# KiCad board Dumpling_Main.kicad_pcb (continued)
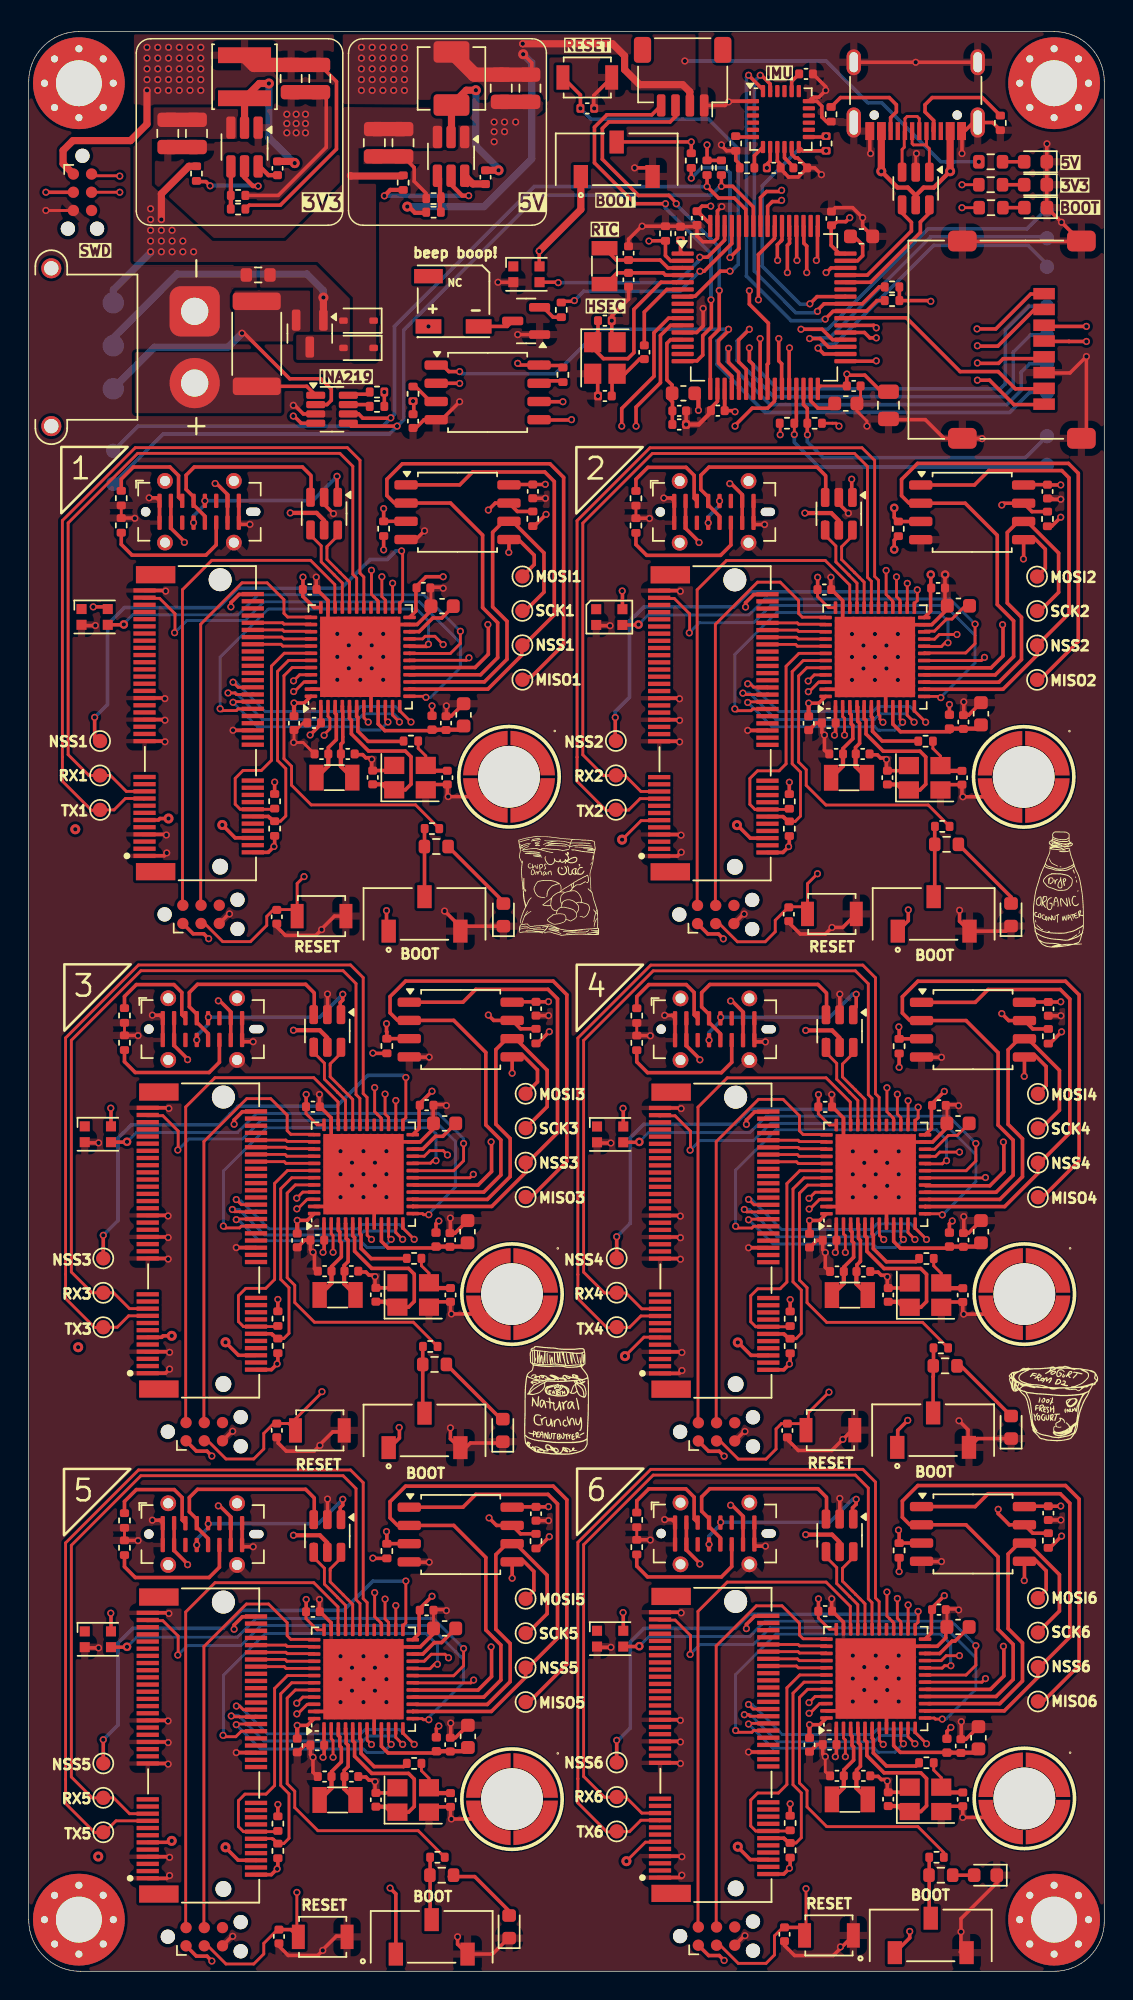
[diagram p0: board, top side]
## Nets (continued)
Pads without a net: BZ1 3; D7 1; D8 1; D10 1; D12 1; D14 1; D16 1; D18 1; H1 1; H2 1; H3 1; H4 1; J1 6; J3 A8 B8; J5 MP; J6 6; J7 3 4 5 8 9 10 13 15 16 18 20 21 22 23 32 34 35 37 38 40 41 43 47 49 50 51 52 53 54 55 56 57 58 59 61 63 65 67 68 69 70 71 72 SH1 SH2; J8 A8 B8; J9 6; J10 3 4 5 8 9 10 13 15 16 18 20 21 22 23 32 34 35 37 38 40 41 43 47 49 50 51 52 53 54 55 56 57 58 59 61 63 65 67 68 69 70 71 72 SH1 SH2; J11 A8 B8; J12 6; J13 3 4 5 8 9 10 13 15 16 18 20 21 22 23 32 34 35 37 38 40 41 43 47 49 50 51 52 53 54 55 56 57 58 59 61 63 65 67 68 69 70 71 72 SH1 SH2; J14 A8 B8; J15 6; J16 3 4 5 8 9 10 13 15 16 18 20 21 22 23 32 34 35 37 38 40 41 43 47 49 50 51 52 53 54 55 56 57 58 59 61 63 65 67 68 69 70 71 72 SH1 SH2; J17 A8 B8; J18 6; J19 3 4 5 8 9 10 13 15 16 18 20 21 22 23 32 34 35 37 38 40 41 43 47 49 50 51 52 53 54 55 56 57 58 59 61 63 65 67 68 69 70 71 72 SH1 SH2; J20 A8 B8; J21 6; J22 3 4 5 8 9 10 13 15 16 18 20 21 22 23 32 34 35 37 38 40 41 43 47 49 50 51 52 53 54 55 56 57 58 59 61 63 65 67 68 69 70 71 72 SH1 SH2; J23 A8 B8; U1 8 9 14 15 43 50; U4 29; U5 29; U7 2 3 4 5 14 15 16 17 19 21 22; U13 29; U16 29; U19 29; U22 29

## Via types
v1: diameter 0.5, hole 0.3, Top to Bottom, 619 vias
v2: diameter 0.7, hole 0.3, Top to Bottom, 102 vias
v3: diameter 0.6, hole 0.3, Top to Bottom, 11 vias

## Routing (per net, layer and track width the routed paths; a pad name or vN(x,y) marks a point on that pad's centre or on a via; arc(x,y) is an arc through that point)
+3V3: length 244.8
  Top w0.2: R24.1 56.3,107.9 v1(56.5,107.7) ; C45.1 55,95.83 55.78,95.05 U5.36 56.26,95.36 ; R20.2 v1(65.07,124.52) ; C85.1 19.34,24.58 20.12,23.8 U19.36 ; 48.53,108.78 C37.1 ; R25.1 52.4,107.86 v1(52.4,107.1) 52.3,107 ; v1(27.87,114.65) 27.72,114.65 ; U13.36 20.12,59 19.34,59.78 C61.1 ; 55.03,110.12 U1.32 55.22,110.5 57.04,110.5 ; C104.1 55.06,24.62 55.84,23.84 U22.36 ; 46.45,109.88 46.45,109.82 ; 20.37,95.37 U4.36 ; C72.1 55.06,59.77 55.84,58.99 U16.36
  Top w0.25: v1(60.69,27.86) R76.1 ; U22.24 62.94,23.6 62.94,25.02 62.96,25.04 ; v1(28.6,52.3) 28.4,52.1 28.4,51.48 ; v1(36.3,30.29) 35.48,29.47 R68.1 ; D8.4 5.36,95.1 v1(4.5,95.1) ; v1(5.72,60.16) 5.74,60.15 D12.4 ; J19.2 16.92,6.74 v1(17.32,7.14) ; J19.74 15.83,24.71 14.9,24.71 14.32,24.14 v1(14.32,23.84) 14.22,23.84 ; FB7.1 64.03,16.72 v1(64.3,17) ; C71.1 62.99,60.36 62.99,60.48 v1(63.84,61.33) ; U24.8 34.22,111.95 v1(34.1,112.07) ; U24.8 35.76,112.13 ; U24.8 35.56,111.92 ; v1(12.77,0.72) 12.43,1.06 11.69,1.06 J18.1 ; 49.89,95.09 v1(49.99,95.09) 49.99,95.39 50.56,95.96 51.49,95.96 J10.74 ; R16.1 15.38,123.1 17.55,123.1 21.46,127.01 21.46,131.72 C38.1 ; R49.1 24.02,63.98 v1(24,64) ; U16.24 62.94,58.74 62.94,60.16 62.96,60.18 ; v1(60.69,63.01) R58.1 ; C65.1 27.27,60.37 27.27,60.49 v1(28.12,61.34) ; J7.74 15.6,95.97 14.67,95.97 14.1,95.4 v1(14.1,95.1) 14,95.1 ; J10.2 52.59,77.98 53.04,78.43 R42.1 ; v1(64.4,52.3) 64.2,52.1 64.2,51.48 ; v1(54.44,17.19) 55.16,17.19 U22.48 ; 19.35,61.09 19.35,60.27 C61.1 ; C9.1 46.95,123.03 v1(47.56,123.03) ; v1(20.52,14.92) 20.55,14.92 20.6,14.97 20.6,15.75 C84.1 20.59,15.77 U19.1 ; J9.1 11.47,72.31 12.21,72.31 v1(12.55,71.97) ; v1(25.83,37.9) 25.85,37.88 25.85,37.17 25.1,36.42 ; R41.1 71.33,100.72 v1(71.96,101.35) ; 46.62,122.68 47.53,121.77 U1.64 47.53,121.42 ; U7.13 55.54,127.85 v1(55.6,127.91) ; v3(60.35,99.1) 60.35,99.74 R40.1 ; U1.19 48.53,108.78 ; FB6.1 28.42,16.92 v1(28.6,17.1) ; 60.61,36.95 60.59,36.97 60.59,37.7 v1(61.29,38.4) ; 48.53,109.54 C37.1 49.07,108.77 49.15,108.7 v1(49.25,108.7) ; D18.4 41.46,24.99 v1(41.44,25) ; 27.24,60.19 27.22,60.17 27.22,58.75 U13.24 ; SW12.1 25.6,5.4 v1(25.2,5.8) ; v1(73.75,113.6) 72.53,113.6 72.53,113.6 71.1,113.6 ; R61.1 53.09,46.82 v1(53.09,46.82) ; v1(17.15,82.89) 17.15,82.89 R30.1 ; v1(72.02,65.48) 71.2,64.66 R59.1 ; U9.4 19,107.9 18.5,108.4 v1(18.45,108.4) ; J21.1 47.41,1.1 48.15,1.1 v1(48.49,0.76) ; J6.1 47.35,72.3 48.09,72.3 v1(48.43,71.96) ; v1(48.49,35.91) 48.15,36.25 47.41,36.25 J15.1 ; 33.74,67.57 36.23,67.57 v1(36.24,67.59) ; 60.54,73.03 60.56,73.01 ; U4.24 27,94.81 27,96.23 27.02,96.25 ; C22.1 27.05,96.43 27.05,96.55 27.7,97.2 v1(28.9,97.2) ; v1(64.2,88.3) FB2.1 ; 69.4,103.62 C52.1 71.06,103.6 v1(71.96,103.6) ; U13.48 19.44,52.34 v1(18.72,52.34) ; R67.1 24.02,28.78 v1(24,28.8) ; R78.1 53.09,7.23 52.65,6.78 J22.2 ; v1(57.25,122.22) 56.97,121.95 56.35,121.95 56.09,121.69 C10.1 55.95,121.67 55.95,120.3 56.53,119.72 U1.48 56.88,119.72 ; 37.22,111.92 35.78,111.92 ; v1(36.3,65.49) 35.48,64.67 R50.1 ; U5.1 56.26,87.02 C48.1 56.26,87 56.26,86.21 56.21,86.16 v1(56.19,86.16) ; v1(62.9,116.4) 62.85,116.45 R80.1 R81.1 ; v1(71.96,32.43) 71.95,32.42 69.46,32.42 ; C85.1 19.35,25.07 19.35,25.89 ; R43.1 53.04,82.87 v1(53.04,82.88) ; 55.07,25.94 55.07,25.12 C104.1 ; U13.1 20.59,50.97 C58.1 20.6,50.95 20.6,50.17 20.55,50.12 v1(20.52,50.12) ; v1(12.77,35.92) 12.43,36.26 11.69,36.26 J12.1 ; v1(54.44,52.33) 55.16,52.33 U16.48 ; v1(19.62,86.17) 20.38,86.92 20.38,87.01 C19.1 20.37,87.03 U4.1 ; C72.1 55.07,60.26 55.07,61.08 ; C88.1 27.27,25.17 27.27,25.29 v1(28.12,26.14) ; v1(54.39,88.39) 55.1,88.39 U5.48 ; 55.01,97.14 55.01,96.32 C45.1 ; v1(47.3,127.3) R22.1 R23.1 ; 35.56,118.83 35.6,118.88 v1(35.6,119.9) ; v1(53.09,11.67) 53.09,11.67 R79.1 ; 33.74,32.37 36.23,32.37 v1(36.24,32.39) ; 51.47,125.95 51.7,126.18 U7.8 ; v1(72.02,30.34) 71.2,29.52 R77.1 ; 24.97,72.5 24.95,72.52 v1(24.95,73.93) ; J13.74 15.83,59.91 14.9,59.91 14.32,59.34 v1(14.32,59.04) 14.22,59.04 ; R14.1 35.25,100.73 v1(36.07,101.55) ; v3(62.9,97.35) 62.9,96.45 C46.1 ; U16.1 56.31,50.96 C74.1 56.32,50.94 56.32,50.16 56.27,50.11 v1(56.24,50.11) ; 49.94,23.89 v1(50.04,23.89) 50.04,24.18 50.62,24.75 51.55,24.75 J22.74 ; v1(28.12,88.2) FB3.1 ; 33.51,103.63 36,103.63 v1(36.02,103.64) ; 57.04,110.5 57.04,111.32 v1(57.05,111.32) 57.12,111.25 58.3,111.25 59.5,110.05 60.4,110.05 ; R29.1 17.15,78.44 16.7,77.99 J7.2 ; J16.74 51.55,59.9 50.62,59.9 50.04,59.33 v1(50.04,59.03) 49.94,59.03 ; 69.46,67.56 71.95,67.56 v1(71.96,67.58) ; v1(26.8,109.44) 26.85,109.39 26.85,108.75 26.63,108.53 ; U4.48 19.21,88.4 v1(18.5,88.4) ; U1.1 45.45,119.88 v1(45.45,120.64) ; R69.1 17.37,7.18 ; 60.4,1.3 61.43,2.33 v1(61.43,2.78) ; v1(5.72,24.96) 5.74,24.95 D16.4 ; v1(17.37,11.63) R70.1 ; D10.4 41.4,96.19 v1(41.39,96.21) ; v1(41.44,60.15) 41.46,60.14 D14.4 ; SW6.1 61.33,73.23 v1(61.33,73.98) ; 62.89,96.22 62.89,94.8 U5.24 ; C98.1 62.99,25.22 62.99,25.34 v1(63.84,26.19) ; U22.1 56.31,15.82 C101.1 56.32,15.8 56.32,15.01 56.27,14.96 v1(56.24,14.96) ; J16.2 52.65,41.93 53.09,42.37 R60.1 ; v1(24.8,110.07) R5.1 ; U19.24 27.22,23.55 27.22,24.97 27.24,24.99 ; R51.1 17.37,42.38 16.93,41.94 J13.2 ; U19.48 19.44,17.14 v1(18.72,17.14) ; 19.12,97.15 19.12,96.33 C20.1 19.11,95.84 19.89,95.06 U4.36 ; 37.22,111.81 R34.1 ; v1(17.37,46.83) R52.1 ; 46.16,109.99 46.45,110.27 ; 48.53,109.02 48.53,109.02 ; v1(24.75,99.07) R12.1 ; 52.28,107.99 R25.1
  Top w0.3: v1(18.72,52.34) C59.1 ; v1(18.5,88.4) C13.1 ; v1(46.7,108.8) 46.7,109.72 FB1.1 ; v1(54.39,88.39) C49.1 ; v1(54.44,17.19) C100.1 ; v1(18.72,17.14) C87.1 ; v1(54.44,52.33) C78.1
  Top w0.5: J1.1 2.4,125.98 2.4,126.91 3.09,127.6 7.1,127.6 8.25,128.75 v1(8.25,131.1) ; v1(35.6,119.9) 38.5,122.8 SW1.1
  Top w1: C38.1 C34.1 15.72,132.88 L2.2
  vias: v1(8.25,134.1) v1(8.25,133.35) v1(8.25,132.6) v1(8.25,131.85) v1(9,134.1) v1(9,133.35) v1(9,132.6) v1(9,131.85) v1(9,131.1) v1(9.75,134.1) v1(9.75,133.35) v1(9.75,132.6) v1(9.75,131.85) v1(9.75,131.1) v1(10.5,134.1) v1(10.5,133.35) v1(10.5,132.6) v1(10.5,131.85) v1(10.5,131.1) v1(11.25,134.1) v1(11.25,133.35) v1(11.25,132.6) v1(11.25,131.85) v1(11.25,131.1) v1(12,134.1) v1(12,133.35) v1(12,132.6) v1(12,131.85) v1(12,131.1) v1(17.1,78.4) v1(17.32,42.34) v1(19.12,97.17) v1(19.35,61.12) v1(19.35,25.92) v1(51.47,125.7) v1(52.99,78.39) v1(53.04,42.33) v1(53.04,7.19) v1(55.01,97.16) v1(55.07,61.11) v1(55.07,25.96)
+5V: length 179.2
  Top w0.25: 35.42,132.28 35.34,132.2 ; v2(49.44,8.69) 49.44,8.66 50.31,7.79 51.56,7.79 J22.6 ; J16.6 51.56,42.93 50.37,42.93 49.47,43.83 v2(49.44,43.83) ; v2(13.5,79.9) 14.4,79 15.62,79 J7.6 ; J19.6 15.84,7.74 14.61,7.74 13.72,8.63 v2(13.72,8.64) ; 13.72,43.78 v2(13.72,43.84) 14.63,42.94 J13.6 ; v2(49.39,79.89) 49.41,79.89 50.32,78.98 J10.6 ; v2(34.48,133.62) 35.08,133.02 35.08,132.33 C43.1 ; 46.1,130.5 J5.2
  Top w0.3: v2(26.4,123) 26.5,123 26.93,122.57 27.66,122.57 27.66,122.67 R27.1
  Top w0.5: v1(34.45,134.35) 40.71,134.35 41.55,133.51 41.55,132.55 42.6,131.5 45.6,131.5 46.1,131 46.1,130.5
  Top w1: L3.2 29.5,133.78 31.08,132.2 C42.1 C43.1
  In2.Cu w1: 49.17,8.85 46.54,8.85 45.63,9.76 ; 49.14,43.96 46.51,43.96 45.6,44.88 ; 49.06,79.96 46.43,79.96 45.51,80.88
  In2.Cu w2: 43.75,35.85 43.5,35.85 41.89,34.24 41.89,26.61 44.08,24.42 44.08,18.18 43.99,18.09 43.99,12.86 45.25,11.6 ; 45.25,46.85 43.99,48.11 43.99,53.24 44.08,53.33 44.08,58.43 43.2,59.31 43.2,60.9 41.89,62.21 41.89,70.24 43.75,72.1
  In3.Cu w0.25: v2(3.45,43.5) 5.55,41.4 11.28,41.4 v2(13.72,43.84) ; v2(13.5,79.9) 12.13,78.53 4.32,78.53 v2(3.25,79.6) ; v2(4.85,8) 5.5,7.35 12.43,7.35 v2(13.72,8.64)
  Bottom w0.25: v1(66.25,126.12) 64.54,126.12 64.53,126.14 63.97,126.14 63.96,126.12 63.6,126.12 59.49,130.24 58.51,130.24 55.6,133.15 v1(45.75,133.15)
  Bottom w0.5: v2(26.4,123) 31.76,123 35.08,126.32 35.08,133.02 v2(34.48,133.62)
  vias: v1(23.2,134.1) v1(23.2,133.35) v1(23.2,132.6) v1(23.2,131.85) v1(23.2,131.1) v1(23.95,134.1) v1(23.95,133.35) v1(23.95,132.6) v1(23.95,131.85) v1(23.95,131.1) v1(24.7,134.1) v1(24.7,133.35) v1(24.7,132.6) v1(24.7,131.85) v1(24.7,131.1) v1(25.45,134.1) v1(25.45,133.35) v1(25.45,132.6) v1(25.45,131.85) v1(25.45,131.1) v1(26.2,134.1) v1(26.2,133.35) v1(26.2,132.6) v1(26.2,131.85) v1(26.2,131.1)
GND: length 646.7
  Top w0.2: J1.5 v1(1.2,122.73) ; C92.2 64.03,25.13 C98.2 ; C45.2 55.96,96.31 ; v1(61.9,126.7) 61.9,126.65 61.85,126.6 U2.2 ; C72.2 56.02,60.25 ; C23.2 19.13,85.65 v1(18.47,85.65) 18.5,85.67 C13.2 18.65,86.52 19.14,87.02 C19.2 ; C88.2 28.23,25.16 C79.2 ; R74.1 R75.1 ; 28.01,96.42 28.05,96.38 C26.2 ; R47.1 R48.1 ; 33.78,117.72 D7.2 ; v1(55.54,14.96) 55.54,13.92 55.88,13.59 ; C71.2 64.03,60.28 C66.2 ; C104.2 56.02,25.1 ; C7.2 58.01,109.53 C35.2 57.75,108.75 58.45,108.05 v1(58.45,107.7) ; C20.2 20.08,96.32 ; R38.1 R39.1 ; R56.1 R57.1 ; R18.1 R19.1 ; 40.62,113.51 40.99,113.14 ; R65.1 R66.1 ; C105.1 52.43,125.65
  Top w0.25: C15.2 63.89,95.33 63.89,97.11 63.9,97.12 v3(63.9,97.35) ; C74.2 54.96,50.95 54.46,50.45 C78.2 ; C74.2 55.37,50.95 ; C74.2 55.37,50.29 55.54,50.11 v1(55.54,50.1) 55.54,49.06 55.88,48.73 ; U19.35 21.09,24.29 20.32,25.06 C85.2 ; v1(20.27,25.92) 20.27,25.09 ; v1(43.29,101.26) 43.27,101.28 R39.1 ; C4.2 41.83,116.55 40.66,115.38 v1(40.66,115.05) ; v1(8.62,31.44) 9.14,31.44 J17.A1 J17.B12 ; 7.92,77.75 9.45,77.75 9.68,77.97 ; v1(45.49,79.19) 45.44,79.23 43.81,79.23 ; v2(59.01,91.61) 56.76,93.86 U5.35 56.76,95.53 55.98,96.31 C45.2 55.93,96.33 v1(55.93,97.16) ; v2(59.01,91.61) 56.76,89.36 U5.47 ; v2(59.01,91.61) 59.76,90.86 U5.8 ; D12.2 3.96,57.74 v1(4.87,57.74) ; C48.2 54.91,87.01 54.41,86.51 C49.2 ; C48.2 55.31,87 ; C48.2 55.31,86.35 v1(55.49,86.17) 55.49,85.12 55.82,84.79 ; 32.14,10.43 31.95,10.62 v1(29.47,10.62) 29.41,10.68 C83.2 ; C58.2 19.65,50.3 v1(19.82,50.12) 19.93,50.02 19.93,48.97 20.16,48.74 ; C58.2 19.65,50.96 ; C58.2 19.24,50.96 18.74,50.46 C59.2 ; J12.5 14.18,37.64 v1(14.22,37.64) ; v1(7.62,30.02) 7.61,30.03 R66.1 ; 63.95,58.72 63.02,57.8 U16.23 61.31,57.8 ; 45.39,17.54 43.96,17.54 ; C101.2 55.37,15.14 v1(55.54,14.96) ; C101.2 54.96,15.8 54.46,15.31 C100.2 ; C101.2 55.37,15.8 ; v3(45.84,107.81) C5.2 45.97,108.89 ; v1(44.34,31.49) 44.86,31.49 J20.A1 J20.B12 ; v1(49.89,73.69) 49.84,73.69 J6.5 ; 61.31,22.65 U22.23 63.35,22.65 63.95,23.25 63.95,23.92 ; R19.1 7.38,101.29 v1(7.4,101.27) ; R75.1 43.33,30.08 v1(43.34,30.06) ; R6.1 67.22,128.86 J3.S1 ; C83.2 29.47,11.4 ; C83.2 28.28,11.46 ; 73.7,120.57 65.4,120.57 ; v1(48.32,123) 48.03,122.7 U1.63 48.03,120.81 47.77,120.55 47,120.55 46.6,120.95 C9.2 46.49,121.6 C8.2 45.42,121.63 R32.2 v1(42.78,121.63) 42.74,121.63 41.83,120.72 C3.2 ; J9.5 13.96,73.7 v1(14,73.7) ; v1(56.56,68.11) 56.56,66.68 U17.2 ; v1(48.3,127.3) 48.3,127.25 48.66,126.89 R82.1 49.3,126.23 49.58,125.95 ; v1(50.14,86.49) 51.51,86.49 J10.36 ; 71.1,111.41 72.61,111.41 v1(73.75,112.55) 73.75,106.82 ; C96.2 64,11.51 ; C96.2 65.19,11.44 ; C96.2 v1(65.13,10.72) 67.61,10.72 67.86,10.47 ; 56.8,37.11 57.69,38 57.76,38 ; 45.4,49.68 43.97,49.68 ; v1(44.29,102.69) 44.8,102.69 J23.A1 J23.B12 ; 63.52,82.71 63.15,82.34 ; J7.36 15.62,86.5 v1(14.25,86.5) ; 63.58,11.51 63.21,11.14 ; v1(9.77,24.94) 9.73,24.99 J19.75 ; U13.8 24.09,53.21 v2(23.34,53.96) ; v1(55.99,25.96) 55.99,25.13 C104.2 56.04,25.1 56.81,24.33 U22.35 ; v1(40.54,93.79) 39.62,93.79 D10.2 ; v1(15.65,64.79) 15,64.79 J11.B1 J11.A12 ; v1(21.25,101.6) 20.6,102.25 U6.2 ; J3.S1 v1(61.85,133.06) J3.S1 ; U22.47 56.81,18.15 v2(59.06,20.4) 59.81,19.65 U22.8 ; HSE5.4 61.07,47.62 C67.2 59.87,47.69 v1(59.87,48.41) 59.76,48.51 59.45,48.51 59.23,48.73 58.67,48.73 ; 47.57,108.97 48.03,109.42 U1.18 ; 58.85,121.02 C36.2 ; C36.2 58.95,121.02 ; C36.2 58.15,121.62 v1(58.15,122.22) 57.45,122.92 56.25,122.92 C10.2 ; C87.2 18.74,15.26 19.24,15.76 C84.2 ; 63.89,94.78 62.97,93.86 U5.23 61.26,93.86 ; v1(9.55,96.2) 9.51,96.24 J7.75 ; 9.67,17.49 8.24,17.49 ; D8.2 3.74,93.8 v1(4.65,93.8) ; HSE7.4 61.07,12.48 C93.2 59.87,12.54 v1(59.87,13.26) 59.76,13.37 59.45,13.37 59.23,13.59 58.67,13.59 ; 7.93,79.24 9.56,79.24 v1(9.6,79.2) ; v1(14.47,15.24) 15.84,15.24 J19.36 ; 67.8,81.68 67.62,81.86 v1(65.14,81.86) 65.07,81.93 C44.2 ; U18.4 62.28,28.56 v1(63.64,28.56) ; D16.2 3.96,22.54 v1(4.87,22.54) ; 22.95,13.54 23.51,13.54 23.73,13.32 24.04,13.32 v1(24.15,13.22) 24.15,12.5 C80.2 25.35,12.43 HSE6.4 ; U19.47 21.09,18.11 v2(23.34,20.36) 24.09,19.61 U19.8 ; 43.45,125.6 43.55,125.5 43.35,125.7 v1(42.25,125.7) ; 28.23,58.99 28.2,59.01 28.2,60.19 ; 67.5,6.1 67.44,6.1 65.01,3.67 v1(65.01,2.76) 65.01,1.41 ; C89.2 29.76,16.28 C90.2 29.43,16.31 v1(29.42,17.3) ; 9.45,88.75 8.02,88.75 ; 33.06,36.82 30.8,36.82 30.4,36.42 30.1,36.42 29.41,37.12 v1(29.41,37.88) ; C50.2 65.53,87.55 C51.2 65.2,87.58 v1(65.2,88.48) ; C70.2 65.13,45.87 v1(65.19,45.81) 67.67,45.81 67.86,45.62 ; C70.2 64,46.65 ; C70.2 65.19,46.59 ; J16.1 45.35,41.68 v1(45.55,41.88) ; 43.87,8.03 45.5,8.03 v1(45.54,7.99) ; J13.36 15.84,50.44 v1(14.47,50.44) ; U10.4 26.56,63.72 v1(27.92,63.72) ; v1(45.54,6.7) 45.54,6.55 45.52,6.54 43.86,6.54 ; U4.8 23.87,90.87 v2(23.12,91.62) ; C30.2 28.06,82.72 ; C30.2 29.19,81.94 v1(29.25,81.88) 31.73,81.88 31.92,81.69 ; C30.2 29.25,82.66 ; 32.14,45.63 31.95,45.82 v1(29.47,45.82) 29.41,45.88 C57.2 28.28,46.66 ; J5.1 48.55,130.05 v1(48.8,130.3) ; D14.2 39.68,57.73 v1(40.59,57.73) ; R48.1 7.61,65.23 v1(7.62,65.22) ; C97.2 v1(71.97,31.46) ; v1(40.59,22.59) 39.68,22.59 D18.2 ; U12.4 62.28,63.71 v1(63.64,63.71) ; C84.2 19.65,15.1 v1(19.82,14.92) 19.82,13.87 20.16,13.54 ; C84.2 19.65,15.76 ; 72.74,120.52 72.74,121.18 v1(72.01,121.91) D1.1 ; 63.92,59 63.95,58.98 ; 70.99,122.94 70.99,127.36 v1(71,127.38) ; v1(29.12,25.14) 29.05,25.21 28.27,25.21 C88.2 ; 9.46,87.24 8.03,87.24 ; v1(71.96,102.6) 71.41,102.6 71.35,102.66 C52.2 71.04,102.7 ; v1(45.49,24.99) 45.45,25.03 J22.75 ; D4.1 30.45,72.85 SW4.3 30.1,72.8 v1(29,73.9) ; J8.A12 J8.B1 14.78,100.85 v1(15.42,100.85) ; 45.34,85.73 43.91,85.73 ; J11.B12 J11.A1 9.14,66.64 v1(8.62,66.64) ; v1(55.28,125.22) 54.8,125.7 C106.2 ; v1(45.44,96.19) 45.39,96.23 J10.75 ; v1(32.72,117.72) 33.78,117.72 ; 15.11,123.93 15.19,123.85 ; v1(9.82,43.14) 9.78,43.19 8.15,43.19 ; 9.67,52.69 8.24,52.69 ; 58.62,84.79 59.17,84.79 59.39,84.57 59.71,84.57 v1(59.81,84.46) 59.81,83.74 C16.2 61.02,83.68 HSE2.4 ; v2(21.74,53.96) 21.09,53.31 U13.47 ; 53,37.21 53,36.97 53.67,36.3 55.99,36.3 v1(56.77,37.07) ; v1(51.31,100.84) 50.66,100.84 J23.B1 J23.A12 ; D9.1 68.14,72.5 SW6.3 64.91,73.19 v1(64.91,73.96) ; 43.87,43.18 45.5,43.18 v1(45.54,43.13) ; C44.2 63.94,82.71 ; C44.2 65.14,82.65 ; J19.7 9.78,7.99 v1(9.82,7.94) ; v1(8.4,102.7) 8.92,102.7 J8.A1 J8.B12 ; v2(23.12,91.62) 20.87,93.87 U4.35 20.87,95.55 20.1,96.32 C20.2 20.05,96.34 v1(20.05,97.17) ; v2(23.12,91.62) 20.87,89.37 U4.47 ; C38.2 20.75,130.52 20.75,127.13 17.4,123.78 R17.1 ; J3.S1 66.36,129.04 ; J3.S1 65.86,128.86 65.08,128.07 v1(65.07,126.7) ; U23.2 56.56,31.54 v1(56.56,32.96) ; 28,94.79 27.08,93.87 U4.23 25.37,93.87 ; v1(49.94,2.49) 49.9,2.49 J21.5 ; v1(43.34,65.21) 43.33,65.22 R57.1 ; 22,37.6 21.2,37.6 20.31,36.71 v1(20.31,36.66) 19.91,36.26 17.96,36.26 17.4,36.82 17.4,37.1 ; C39.2 26.88,125.72 26.88,124.76 27.72,123.92 ; v1(9.83,6.67) 9.62,6.47 8.31,6.47 ; 18.45,109.1 18.6,109.1 19.15,108.55 U9.3 20.06,108.5 ; v1(15.65,29.59) 15,29.59 J17.B1 J17.A12 ; v1(29.91,2.41) 29.91,1.89 SW12.3 32.34,1.2 33.55,2.41 ; 45.39,52.68 43.96,52.68 ; J16.36 51.56,50.43 v1(50.19,50.43) ; Q2.1 34.22,114.08 34.1,113.95 ; 28.2,23.81 28.23,23.79 ; v1(47.03,115.9) 47.03,114.67 46.58,114.22 U1.12 ; 8.14,41.69 9.54,41.69 v1(9.83,41.97) ; 27.86,46.66 27.49,46.29 ; v1(55.99,61.11) 55.99,60.28 C72.2 56.04,60.25 56.81,59.48 U16.35 56.81,57.8 v2(59.06,55.55) ; C105.1 52.43,125.62 52.71,125.34 52.71,125.33 52.98,125.06 53.66,125.06 54.28,125.69 C106.2 ; U16.8 59.81,54.8 v2(59.06,55.55) ; 28.23,58.73 27.3,57.81 25.59,57.81 v2(23.34,55.56) 21.09,57.81 U13.35 21.09,59.49 20.32,60.26 C61.2 20.27,60.29 v1(20.27,61.12) ; v1(64.84,25.19) 64.77,25.26 63.99,25.26 C98.2 ; 65.3,1.7 64.95,1.35 ; v2(59.06,55.55) 56.81,53.3 U16.47 ; 22.25,2.45 21.45,2.45 20.56,1.56 20.56,1.51 20.16,1.11 18.09,1.11 17.45,1.75 C86.2 ; v1(51.37,64.78) 50.72,64.78 J14.B1 J14.A12 ; J14.B12 J14.A1 44.86,66.63 v1(44.34,66.63) ; C29.2 v1(36.03,102.67) ; J13.75 9.73,60.19 v1(9.77,60.14) ; 9.68,49.69 8.25,49.69 ; v1(29.4,52.5) 29.4,51.48 C64.2 29.73,51.45 C63.2 ; D13.1 66.18,37.13 SW10.3 65.5,36.58 65.5,37.74 v1(64.87,38.38) ; v1(40.66,115.05) 40.66,113.92 ; v1(40.66,115.05) 40.78,115.05 ; 22.73,84.8 23.29,84.8 23.51,84.58 23.82,84.58 v1(23.92,84.47) 23.93,83.75 C27.2 25.13,83.69 HSE3.4 ; 27.63,82.72 27.26,82.35 ; U15.4 26.56,28.52 v1(27.92,28.52) ; 45.4,14.53 43.97,14.53 ; v1(49.94,37.63) 49.9,37.63 J15.5 ; v1(50.19,15.29) 51.56,15.29 J22.36 ; R7.1 55.63,128.93 55.3,129.25 55.3,130 54.95,130.35 U7.18 54.68,130.63 55.11,130.63 v1(55.57,131.1) 55.58,131.35 C107.2 ; v1(51.37,29.64) 50.72,29.64 J20.B1 J20.A12 ; C106.2 54.28,125.72 53.6,126.4 53.46,126.4 53.2,126.66 U7.11 ; U14.2 20.84,66.69 v1(20.84,68.12) ; C91.2 v1(36.25,31.41) ; J18.5 14.18,2.44 v1(14.22,2.44) ; 9.68,14.49 8.25,14.49 ; 25.59,22.61 U19.23 27.3,22.61 28.23,23.53 ; 52.43,125.95 52.2,126.18 U7.9 ; v1(29.12,88.2) 29.13,87.5 C24.2 29.46,87.48 C21.2 ; 40.79,132.13 SW2.2 40.65,132 39.4,130.75 39.4,129.84 v1(39.43,129.84) ; v1(29.12,60.34) 29.05,60.41 28.27,60.41 C65.2 ; U3.4 26.33,99.77 26.98,99.77 v1(27.6,100.4) ; 62.22,99.76 U8.4 ; 45.34,88.74 43.91,88.74 ; 9.68,51.19 8.25,51.19 ; C76.2 65.53,51.45 C77.2 65.2,51.48 v1(65.2,52.6) ; 48.85,130.35 U7.1 ; C99.2 52.7,1.8 53.4,1.1 56.1,1.1 SW13.2 57.6,2.5 ; 53.11,73.2 53.11,72.99 53.8,72.3 55.56,72.3 v1(56.01,72.76) 56.76,72.76 SW5.2 ; v1(45.49,60.13) 45.45,60.18 J16.75 ; C71.2 63.99,60.4 64.77,60.4 v1(64.84,60.33) ; 39.68,111 39.68,109.82 ; v1(58.7,126.7) 58.65,126.75 J3.A12 ; 45.34,87.23 43.91,87.23 ; v1(45.5,78) 45.23,77.73 J10.1 ; HSE4.4 25.35,47.63 C54.2 24.15,47.7 v1(24.15,48.42) 24.04,48.52 23.73,48.52 23.51,48.74 22.95,48.74 ; 60.4,108.15 62.52,108.15 63.82,106.85 66.45,106.85 v1(66.47,106.82) 65.4,106.82 ; 63.58,46.65 63.21,46.28 ; 27.86,11.46 27.49,11.09 ; 30.47,72.95 30.47,72.85 ; v1(20.84,32.92) 20.84,31.49 U20.2 ; 57.35,129.04 J3.S1 ; C75.2 v1(71.97,66.6) ; v1(65.03,17.4) 65.03,16.2 C103.2 65.36,16.18 C102.2 ; 9.68,15.99 8.25,15.99 ; C28.2 27,107.57 27.57,108.14 U24.4 28.42,108.15 28.8,108.15 v1(30.05,109.4) ; C14.2 17.3,72.8 17.9,72.2 20.03,72.2 v1(20.42,72.6) 20.43,72.65 21.32,73.55 SW3.2 ; 45.4,16.03 43.97,16.03 ; 67.6,6.7 67.6,6.26 ; 45.4,51.18 43.97,51.18 ; C62.2 v1(36.25,66.61) ; 9.46,85.74 8.03,85.74 ; v1(28.9,96.4) 28.83,96.47 28.05,96.47 28.01,96.42 ; U11.2 56.49,102.3 v1(57.15,101.63)
  Top w0.3: 55.35,15.79 C101.2 ; 47.57,108.97 C37.2 47.57,108.67 46.71,107.81 v3(45.84,107.81) ; 19.63,50.94 C58.2 ; 19.63,15.74 C84.2 ; 55.35,50.93 C74.2 ; 63.95,23.92 C92.2 ; 55.29,86.99 C48.2
  Top w1: C42.2 C43.2 ; C34.2 C38.2 ; C31.2 C32.2 ; C40.2 C39.2
  In3.Cu w0.25: J23.S1 50.19,101.92 51.27,100.84 v1(51.31,100.84) 51.31,100.69 J23.S1 49.64,99.01 45.95,99.01 J23.S1 ; J14.S1 46,68.36 49.7,68.36 J14.S1 50.25,65.86 51.33,64.78 v1(51.37,64.78) 51.37,64.63 J14.S1 49.69,62.96 46.01,62.96 J14.S1 45.04,63.51 v1(43.34,65.21) ; J20.S1 46,33.22 49.7,33.22 J20.S1 50.25,30.71 51.33,29.64 v1(51.37,29.64) 51.37,29.49 J20.S1 49.69,27.81 46.01,27.81 J20.S1 45.04,28.37 v1(43.34,30.06) ; J11.S1 14.53,65.77 15.51,64.79 v1(15.65,64.79) 15.65,64.64 J11.S1 13.31,62.3 10.95,62.3 J11.S1 9.32,63.52 v1(7.62,65.22) ; 44.29,102.76 v1(44.29,102.69) 45.39,103.79 J23.S1 ; v1(8.4,102.7) 9.51,103.81 J8.S1 10.06,104.43 13.76,104.43 J8.S1 14.31,101.93 15.38,100.85 v1(15.42,100.85) 15.43,100.7 J8.S1 13.75,99.02 10.06,99.02 J8.S1 9.09,99.58 v1(7.4,101.27) ; v1(8.62,66.64) 9.73,67.75 J11.S1 ; v1(7.62,30.02) 9.32,28.32 J17.S1 10.35,27.7 13.91,27.7 J17.S1 15.65,29.44 v1(15.65,29.59) 15.61,29.59 14.53,30.67 J17.S1 13.98,33.17 10.28,33.17 J17.S1
  vias: v1(9.49,88.71) v1(9.5,87.2) v1(9.5,85.7) v1(9.62,77.95) v1(9.72,52.65) v1(9.72,51.14) v1(9.72,49.64) v1(9.72,17.45) v1(9.72,15.94) v1(9.72,14.44) v1(18,129.44) v1(18,128.79) v1(18,128.14) v1(18.45,109.15) v1(18.65,129.44) v1(18.65,128.79) v1(18.65,128.14) v1(19.3,129.44) v1(19.3,128.79) v1(19.3,128.14) v1(20.51,1.46) v1(32.45,128.9) v1(32.45,128.22) v1(32.45,127.52) v1(33.18,128.9) v1(33.18,128.22) v1(33.95,128.9) v1(34.1,114.08) v1(39.69,109.8) v1(45.38,88.7) v1(45.39,87.19) v1(45.39,85.69) v1(45.44,52.64) v1(45.44,51.13) v1(45.44,49.63) v1(45.44,17.49) v1(45.44,15.99) v1(45.44,14.49) v1(56.6,1.7) v2(21.52,93.22) v2(21.52,91.62) v2(21.52,90.02) v2(21.74,57.16) v2(21.74,55.56) v2(21.74,21.96) v2(21.74,20.36) v2(21.74,18.76) v2(22.32,92.42) v2(22.32,90.82) v2(22.54,56.36) v2(22.54,54.76) v2(22.54,21.16) v2(22.54,19.56) v2(23.12,93.22) v2(23.12,90.02) v2(23.34,57.16) v2(23.34,21.96) v2(23.34,18.76) v2(23.92,92.42) v2(23.92,90.82) v2(24.14,56.36) v2(24.14,54.76) v2(24.14,21.16) v2(24.14,19.56) v2(24.72,93.22) v2(24.72,91.62) v2(24.72,90.02) v2(24.94,57.16) v2(24.94,55.56) v2(24.94,53.96) v2(24.94,21.96) v2(24.94,20.36) v2(24.94,18.76) v2(57.41,93.21) v2(57.41,91.61) v2(57.41,90.01) v2(57.46,57.15) v2(57.46,55.55) v2(57.46,53.95) v2(57.46,22) v2(57.46,20.4) v2(57.46,18.8) v2(58.21,92.41) v2(58.21,90.81) v2(58.26,56.35) v2(58.26,54.75) v2(58.26,21.2) v2(58.26,19.6) v2(59.01,93.21) v2(59.01,90.01) v2(59.06,57.15) v2(59.06,53.95) v2(59.06,22) v2(59.06,18.8) v2(59.81,92.41) v2(59.81,90.81) v2(59.86,56.35) v2(59.86,54.75) v2(59.86,21.2) v2(59.86,19.6) v2(60.61,93.21) v2(60.61,91.61) v2(60.61,90.01) v2(60.66,57.15) v2(60.66,55.55) v2(60.66,53.95) v2(60.66,22) v2(60.66,20.4) v2(60.66,18.8)
VBAT: length 20.4
  Top w0.25: U9.2 20.8,109.2 21.1,109.5 21.1,110.27 20.38,111 18.2,111 15.03,114.17 v1(14.88,114.17)
  Bottom w0.5: VBAT1.1 5.9,110.32 8.78,113.2 13.9,113.2 v1(14.88,114.17)
VBUS: length 161.8
  Top w0.25: 20.82,65.07 U14.5 ; v1(10.86,99.6) 10.8,99.66 10.8,99.7 9.92,100.58 J8.B9 J8.A4 ; v1(46.8,63.53) 46.74,63.59 46.74,63.63 45.86,64.52 J14.B9 J14.A4 ; J11.A4 J11.B9 10.14,64.53 11.02,63.64 11.02,63.6 v1(11.08,63.54) ; J8.B4 J8.A9 13.87,102.93 13.1,103.7 v1(13,103.7) ; v1(48.94,32.49) 49.04,32.49 49.81,31.72 J20.A9 J20.B4 ; J17.B4 J17.A9 14.09,31.68 13.32,32.44 v1(13.22,32.44) ; v1(48.89,103.69) 48.99,103.69 49.75,102.92 J23.A9 J23.B4 ; J14.B4 J14.A9 49.81,66.87 49.04,67.63 v1(48.94,67.63) ; 56.54,65.06 U17.5 ; 61.85,123.78 U2.5 ; 20.82,29.87 U20.5 ; J17.A4 J17.B9 10.14,29.33 11.02,28.44 11.02,28.4 v1(11.08,28.34) ; v1(13.22,67.64) 13.32,67.64 14.09,66.88 J11.A9 J11.B4 ; v1(46.8,28.39) 46.74,28.44 46.74,28.49 45.86,29.37 J20.B9 J20.A4 ; 20.6,101.12 U6.5 ; v1(46.74,99.59) 46.69,99.64 46.69,99.69 45.8,100.57 J23.B9 J23.A4 ; 56.54,29.91 U23.5 ; 56.49,101.11 U11.5
  Top w0.3: 56.54,65.06 56.02,65.58 v1(54.18,65.58) ; v1(18.46,30.39) 20.3,30.39 20.82,29.87 ; 56.54,29.91 56.02,30.44 v1(54.18,30.44) ; v2(59.45,125.46) 60.59,124.33 61.3,124.33 61.85,123.78 62.4,124.33 63.12,124.33 64.01,125.22 ; 20.82,65.07 20.3,65.59 v1(18.46,65.59) ; 56.49,101.11 55.96,101.64 v1(54.12,101.64) ; 20.6,101.12 20.07,101.65 v1(18.24,101.65)
  Top w0.5: v2(20.55,116.66) Q1.1 ; J3.A4 v2(64.25,125.46) ; v2(59.45,125.46) J3.A9
  In2.Cu w2: 17.25,32.35 18.77,33.87 18.77,42.94 15.92,45.79 15.92,53.77 17.63,55.48 17.63,67.31 17.15,67.79 17.15,75.45 15.25,77.35 15.25,84.85 16.75,86.35 16.75,99.6
  Bottom w0.5: VBUS1.1 5.9,113.85 10.35,118.3 19.4,118.3 20.55,117.15 20.55,115.95
VDDA: length 7.2
  Top w0.2: 44.85,107.84 C6.1
  Top w0.25: FB1.2 44.86,110.56 44.5,110.92 44.5,113.47 44.76,113.72 U1.13 ; C6.1 C5.1 44.89,108.77 44.89,109.39 44.59,109.69 44.59,109.99
VIN: length 90.5
  Top w0.2: v2(41.58,42.88) 42.9,44.2 44.2,44.2 ; U25.3 14.1,128.41 ; v2(41.68,7.68) 43,9 44.3,9 ; 44,80.2 42.7,80.2 v2(41.38,78.88)